# KiCad board Panel3-copy.kicad_pcb (continued)
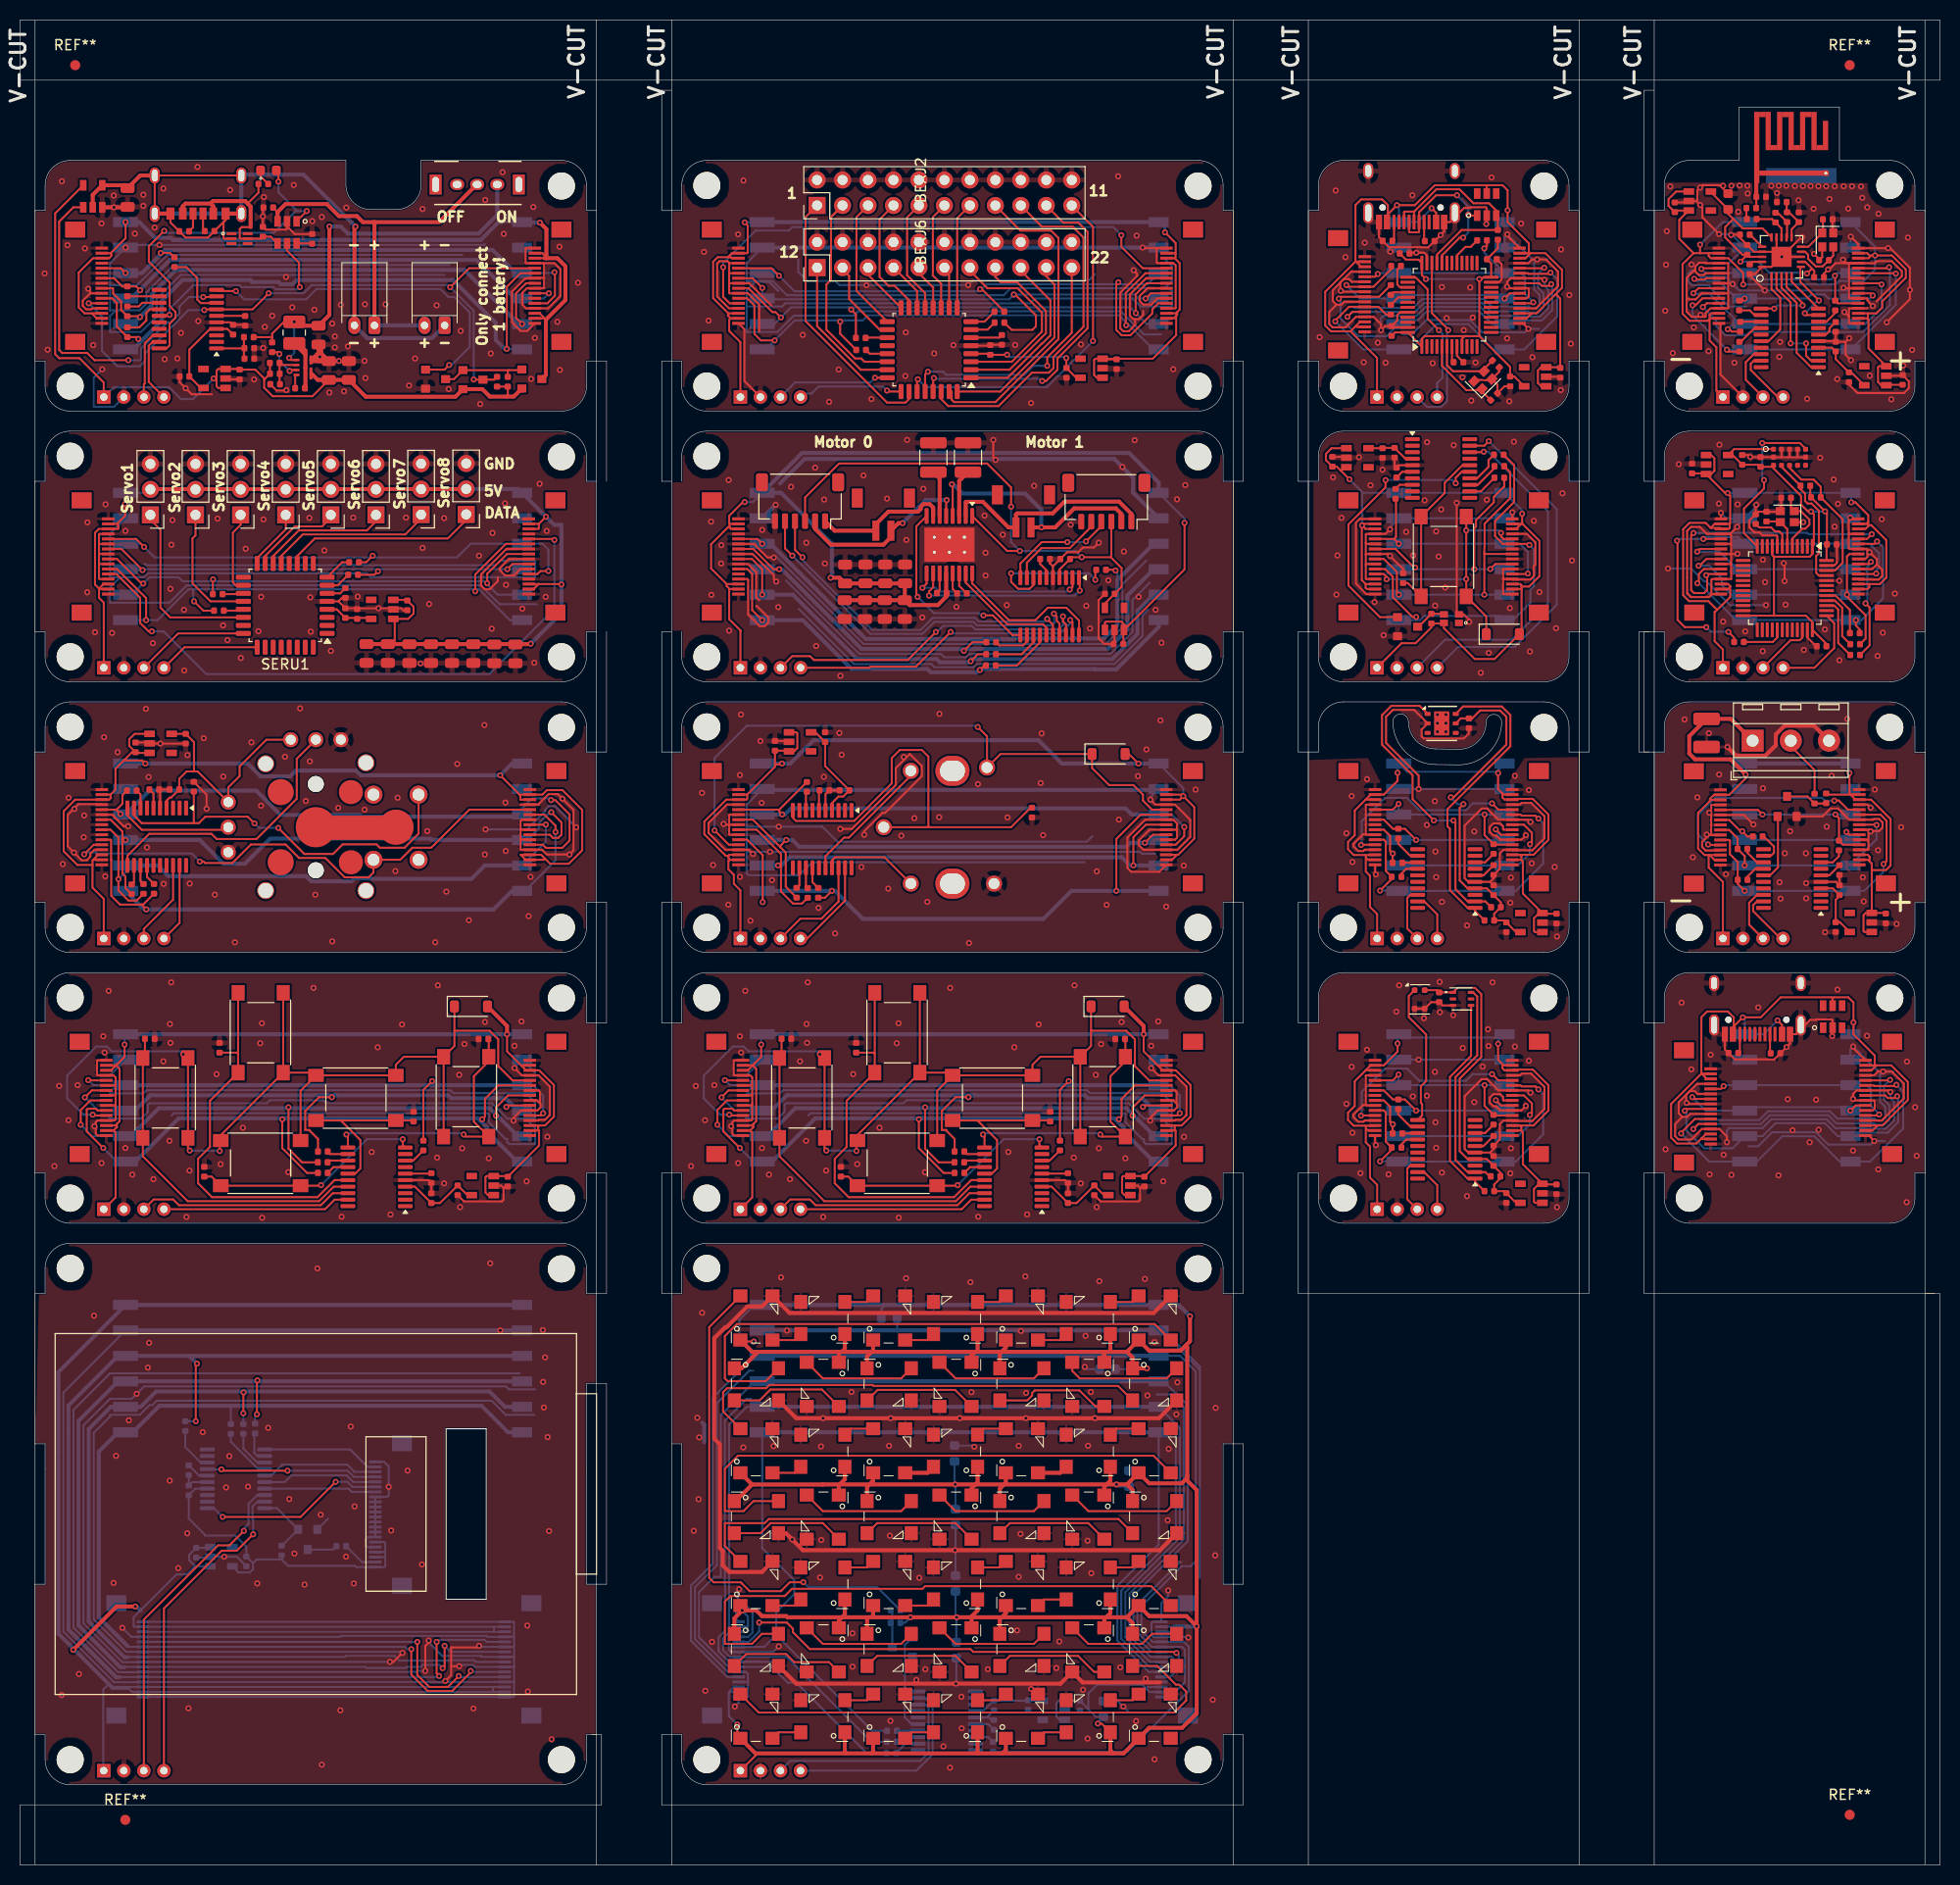
[diagram p0: board, top side]
## Routing (per net, layer and track width the routed paths; a pad name or vN(x,y) marks a point on that pad's centre or on a via; arc(x,y) is an arc through that point) (continued)
BEX_P6: length 3.9
  Top w0.2: 92.2,159 92.67,158.53 BEXU1.10
BEX_P7: length 19.1
  Top w0.2: BEXU1.3 98.92,149.93 101.92,152.93 101.92,154.82 99.5,157.25 96.49,157.25 94.74,159
BEX_P8: length 18.3
  Top w0.2: BEXU1.2 98.69,149.12 102.33,152.76 102.33,154.99 99.47,157.85 97.83,157.85 97.28,158.4 97.28,159
BEX_P9: length 17.3
  Top w0.2: BEXU1.1 98.5,148.32 101.92,151.75 101.97,151.75 102.78,152.56 102.78,156.04 99.82,159
BEX_P10: length 18.9
  Top w0.2: BEXU1.32 97.78,146.95 103.17,152.35 103.17,157.62 102.36,158.44 102.36,159
BEX_P11: length 26.6
  Top w0.2: 79.5,165.5 78.35,164.35 78.35,153.97 86.47,145.85 88.32,145.85 88.67,146.2 BEXU1.26
BEX_P12: length 22.1
  Top w0.2: BEXJ2.3 80.89,164.36 80.89,158.1 80.89,158.09 80.42,157.62 80.42,153.12 83.3,150.25 83.9,150.25 84.22,149.93 BEXU1.22 ; 82.04,165.5 80.89,164.35
BEX_P13: length 13.3
  Top w0.2: 84.58,165.5 83.43,164.35 83.43,157 BEXU1.17
BEX_P14: length 12.3
  Top w0.2: 87.12,165.5 85.73,164.12 85.73,158.39 86.62,157.5 87.22,157.5 88.67,156.05 BEXU1.15
BEX_P15: length 11.4
  Top w0.2: 89.66,165.5 88.47,164.31 88.47,158.56 90.28,156.76 90.28,155.3
BEX_P16: length 11
  Top w0.2: 92.2,165.5 91.05,164.35 91.05,158.53 91.06,158.53 91.05,158.52 91.88,157.7 BEXU1.11
BEX_P17: length 10.7
  Top w0.2: BEXU1.9 93.47,164.24 94.74,165.5
BEX_P18: length 32.1
  Top w0.2: 97.28,165.5 99.78,163 102.84,163 103.58,162.27 103.58,152.18 97.29,145.9 93.17,145.9 92.92,146.15 92.92,146.95 BEXU1.31
BEX_P19: length 35.6
  Top w0.2: 99.82,165.5 101.92,163.4 104.98,163.4 106.08,162.31 106.08,153.41 103.08,150.41 103.08,149.29 102.62,148.83 100.93,148.83 97.6,145.5 92.58,145.5 91.88,146.2 BEXU1.30
BEX_P20: length 34.5
  Top w0.2: v1(91.15,148.3) 91.08,148.22 BEXU1.29 ; 102.36,165.5 104.06,163.8 105.55,163.8 106.47,162.88 106.47,153.25 103.48,150.25 103.48,149.13 102.35,148 v1(101.95,148)
  Bottom w0.2: v1(101.95,148) 101.72,148.22 91.22,148.22 v1(91.15,148.3)
BEX_P21: length 25.4
  Top w0.2: 104.91,159.31 104.91,152.81 102.46,150.36 v1(102.46,149.52) ; v1(90.55,148.93) 90.28,148.65 90.28,146.95 90.37,147.05
  Bottom w0.2: v1(90.55,148.93) 92.08,148.93 92.38,148.62 100.17,148.62 101.07,149.52 v1(102.46,149.52)
BEX_P22: length 35.3
  Top w0.2: v1(89.55,148.18) 89.47,148.1 BEXU1.27 ; 104.9,165.5 107.03,163.38 v1(107.03,152)
  Bottom w0.2: v1(89.55,148.18) 90.33,147.4 102.42,147.4 v1(107.03,152)
BEX_PS: length 60.8
  Top w0.2: v1(75.7,158.5) 74.95,159.25 BEXJ5.5 ; v1(95.74,157.15) 95.94,157.15 BEXR8.2 ; BEXJ7.5 113.54,155.75 112.94,155.15 112.94,154.75 110.75,152.56 109.87,152.56 109.34,153.1 109.34,157.64 v1(109.55,157.85)
  Bottom w0.2: 109.85,157.65 96.4,157.65 95.9,157.15 v1(95.74,157.15) 95.54,156.95 77.25,156.95 v1(75.7,158.5) 75.43,158.77 BEXJ1.3 ; 109.85,157.65 112.45,157.65 BEXJ3.4 ; 109.85,157.65 109.75,157.65 v1(109.55,157.85)
BEX_SCLK: length 54
  Top w0.2: BEXJ5.7 73.08,158.25 v1(74.04,157.29) ; BEXR5.2 98.9,153.1 100.98,153.1 101.33,153.45 101.33,154.55 99.25,156.62 v1(99.12,156.62) ; BEXJ7.7 112.8,156.75 v1(112.28,156.23)
  Bottom w0.2: BEXJ3.3 v1(112.28,156.23) 111.55,156.23 111.16,156.62 v1(99.12,156.62) ; 99.1,156.43 99.12,156.45 v1(99.12,156.62) ; v1(74.04,157.29) 74.04,156.24 BEXJ1.4 74.11,156.15 98.65,156.15 v1(99.12,156.62)
BEX_SWDCLK: length 10.7
  Top w0.2: BEXU1.25 86.58,146.95 v1(86.47,147.05)
  Bottom w0.2: BEXJ4.4 78.2,146.75 78.95,146.75 79.65,147.45 86.08,147.45 v1(86.47,147.05)
BEX_SWDIO: length 11.4
  Top w0.2: BEXU1.24 v1(85.28,148.32)
  Bottom w0.2: v1(85.28,148.32) 84.8,147.85 77.3,147.85 BEXJ4.3
BEX_VDD: length 12.6
  Top w0.2: BEXU1.4 96.67,150.72 BEXC4.1 98.44,150.62 v1(98.45,150.62) ; 104.38,149.3 105.34,148.32 BEXU2.5 ; 104.38,149.3 104.36,149.31 v1(104.36,150.29) ; 104.38,149.3 104.33,149.25
  Bottom w0.2: v1(98.45,150.62) 98.67,150.4 104.25,150.4 v1(104.36,150.29)
BLK_5V: length 92.8
  Top w0.2: BLKJ5.2 73.08,79.75 ; 73.08,79.75 73.22,79.89 ; 73.08,79.75 73.43,79.4 73.43,74.18 73.15,73.9 ; 115.17,73.33 115.17,73.66 115.27,73.75 ; 115.17,73.33 115.1,73.25 BLKJ3.2 ; 115.17,73.33 115.27,73.23 115.27,71.76 BLKC8.1 112.08,68.7 BLKU2.3 110.02,68.7 109.92,68.61 109.92,67.06 110.17,66.81 BLKU2.1 ; 73.22,79.89 73.92,80.59 v1(73.92,81.83) ; 73.22,79.89 72.58,79.25 BLKJ5.3 ; 115.27,73.75 115.86,73.75 116.75,74.64 116.75,77.79 115.29,79.25 BLKJ3.14 113.97,79.25 113.47,79.75 ; 115.27,73.75 BLKJ3.3 ; 73.15,73.9 73,73.75 BLKJ5.14 ; 73.15,73.9 73.15,73.63 73.17,73.6 72.83,73.25 ; BLKJ5.15 72.83,73.25 ; 72.83,73.25 73.03,73.05 73.03,66.58 BLKJ4.1 ; v1(112.08,82.85) 112.08,81.14 113.47,79.75 ; 113.47,79.75 BLKJ3.15
  Top w0.4: v1(112.08,82.85) 112.08,83.67 BLKD2.2
  Bottom w0.2: BLKJ1.1 73.92,82.75 v1(73.92,81.83)
  Bottom w0.4: BLKJ2.6 v1(112.08,82.85) BLKJ1.1
BLK_GND: length 181.8
  Top w0.2: 115.36,75.94 115.05,76.25 BLKJ3.8 ; 115.36,75.94 115.43,75.87 115.43,75.58 115.1,75.25 BLKJ3.6 113.47,75.25 112.72,74.5 v1(112.72,74.23) ; 115.36,75.94 115.36,77.11 115.22,77.25 BLKJ3.10 ; 71.05,73.55 71.05,72.93 71.23,72.75 BLKJ5.16 ; 71.05,73.55 71.05,74.07 71.23,74.25 BLKJ5.13 72.93,74.25 73.03,74.35 73.03,75.85 ; 71.05,73.55 v1(70.92,73.67) ; BLKC8.2 111.89,67.67 111.72,67.51 ; 73.03,75.85 73.03,76.78 ; 73.03,75.85 72.93,75.75 BLKJ5.10 ; 73.03,76.78 73,76.75 BLKJ5.8 ; 73.03,76.78 73.03,77.75 ; BLKU2.2 111.48,67.75 111.72,67.51 ; 111.72,67.51 111.72,66.33 111.58,66.18 107.78,66.18 BLKC9.2 ; BLKJ3.4 115.2,74.25 115.27,74.32 115.87,74.32 116.35,74.8 116.35,77.62 115.22,78.75 BLKJ3.13 113.55,78.75 v1(112.83,79.47) ; 73.03,77.75 73.03,78.55 72.83,78.75 BLKJ5.4 71.23,78.75 71.18,78.8 71.18,80.2 71.23,80.25 BLKJ5.1 ; 73.03,77.75 BLKJ5.6 ; BLKC2.2 BLKC1.2 104.25,68.3 BLKU3.5
  Bottom w0.2: 113.15,76.97 114.88,76.97 ; 113.15,76.97 113.94,76.97 114.88,76.03 114.88,74.43 113.15,74.43 ; 113.15,76.97 106.72,76.97 106.42,77.27 76.12,77.27 75.8,76.95 72.5,76.95 72.47,76.97 ; 78.62,74.75 78.84,74.97 110.16,74.97 110.27,74.87 110.27,74.07 111.93,72.4 112.09,72.4 112.09,72.1 112.3,71.89 114.88,71.89 114.88,73.49 113.94,74.43 113.15,74.43 ; 113.15,74.43 112.11,74.43 110.58,75.97 94.03,75.97 93.72,76.27 88.42,76.27 88.12,75.97 76.41,75.97 76.26,75.82 76.26,75.11 75.58,74.43 72.47,74.43 72.38,74.53 ; v1(112.83,79.47) 112.83,79.56 BLKJ2.5 114.88,79.01 ; BLKJ1.2 72.47,78.76
  vias: v1(66.92,69.7) v1(67.4,77.7) v1(68.33,74.28) v1(69.25,77.78) v1(71.62,70) v1(71.8,82.65) v1(71.92,81.03) v1(72.34,87.18) v1(74,71.5) v1(74.7,68.85) v1(76.8,68.4) v1(77.8,80.15) v1(78.4,72.22) v1(78.45,83.88) v1(78.5,82) v1(78.58,88.03) v1(80.1,64.62) v1(80.4,69.25) v1(83.1,78.88) v1(83.5,69.9) v1(85.72,73.53) v1(87.45,81.95) v1(87.62,83.95) v1(87.65,64.55) v1(90.25,69.1) v1(92.78,87.47) v1(95.58,64.65) v1(98.58,71.1) v1(99.17,81.55) v1(100.45,64.88) v1(101.6,83.83) v1(105.1,70.55) v1(105.17,87.72) v1(105.8,67.97) v1(107.3,78.8) v1(107.39,65.61) v1(107.6,71.47) v1(107.83,81.88) v1(109.88,84.08) v1(110.25,70.47) v1(112.83,81.7) v1(113.53,84.12) v1(114.03,68.17) v1(116.1,72.62)
BLK_Interrupt5V: length 100.5
  Top w0.2: BLKSW6.2 101.78,80.61 100.98,79.81 BLKSW3.2 BLKSW3.2 ; BLKSW6.2 106.83,81.68 106.83,83.2 ; BLKSW6.2 BLKSW6.2 ; v1(83.42,71.2) 83.42,72.16 BLKSW4.2 83.52,72.79 BLKSW2.2 ; BLKSW3.2 91.48,77.21 BLKSW4.2 ; BLKSW3.2 92.75,79.02 BLKSW2.2 ; BLKJ5.12 70.83,74.75 v1(70.75,74.83) ; BLKSW2.2 BLKSW2.2 ; BLKJ3.12 112.62,78.25 111.2,79.67 111.2,82.34 110.34,83.2 106.83,83.2 ; v1(79.78,80.85) 80.14,80.48 BLKSW1.2 BLKSW1.2 80.25,71.42 v1(80.42,71.25) ; 106.83,83.2 BLKD2.1
  Bottom w0.2: v1(80.42,71.25) 83.38,71.25 v1(83.42,71.2) ; v1(79.78,80.85) 79.47,81.15 72.65,81.15 72.17,81.62 71.1,81.62 68.2,78.72 68.2,76.45 69.83,74.83 v1(70.75,74.83)
BLK_MISO: length 63.5
  Top w0.2: BLKJ5.9 70.51,76.25 69.55,75.29 v1(69.55,73.83) ; BLKR4.2 91.63,70.08 90.28,71.43 v1(90.28,75.57) ; BLKJ3.9 112.17,76.75 110.97,75.55 v1(110.97,74.72)
  Bottom w0.2: v1(69.55,73.83) 70.69,72.69 BLKJ1.5
  Bottom w0.4: BLKJ1.5 74.54,72.69 77.32,75.47 110.37,75.47 113.15,72.69 BLKJ2.2
BLK_MOSI: length 68.3
  Top w0.2: BLKR2.2 92.12,69.02 89.65,71.49 v1(89.65,74.37) ; v1(109.6,74.37) 109.88,74.65 109.88,76.4 111.22,77.75 BLKJ3.11 ; v1(71.8,71.5) 70.15,73.15 70.15,75.33 70.25,75.42 71.06,75.42 71.23,75.25 BLKJ5.11
  Bottom w0.2: v1(71.8,71.5) 73.15,70.15 BLKJ1.6 ; 90.12,74.47 90.03,74.57 89.72,74.57 89.65,74.5 v1(89.65,74.37) ; 109.36,74.26 109.47,74.37 v1(109.6,74.37)
  Bottom w0.4: BLKJ1.6 75,70.15 79.33,74.47 109.16,74.47 110.1,73.53 110.1,73.12 113.08,70.15 BLKJ2.1
BLK_Net-(U3-NRST): length 2.6
  Top w0.2: BLKC1.1 104.48,68.95 BLKU3.6
BLK_Net-(U3-PA1): length 2.2
  Top w0.2: BLKR1.1 102.71,70.25 BLKU3.8
BLK_Net-(U3-PA5): length 2.1
  Top w0.2: BLKU3.12 94.44,70.9 BLKR3.1
BLK_Net-(U3-PA6): length 2.1
  Top w0.2: BLKU3.13 94.35,70.25 BLKR4.1
BLK_Net-(U3-PA7): length 2.3
  Top w0.2: BLKR2.1 94.77,69.6 BLKU3.14
BLK_PS: length 57.7
  Top w0.2: BLKJ5.5 70.33,78.25 v1(70.3,78.28) ; v1(115.67,74.97) 115.45,74.75 BLKJ3.5 ; v1(104.6,78.17) 103.72,77.3 BLKR1.2
  Bottom w0.2: BLKJ1.3 70.81,77.77 v1(70.3,78.28) ; 104.65,77.77 104.6,77.82 v1(104.6,78.17) ; v1(115.67,74.97) 115.67,76.74 114.64,77.77 BLKJ2.4
  Bottom w0.4: BLKJ1.3 BLKJ2.4
BLK_SCLK: length 59.6
  Top w0.2: BLKJ3.7 112.15,75.75 v1(112,75.6) ; v1(69.97,76.56) 70.66,77.25 BLKJ5.7 ; BLKR3.2 93.22,72.41 92.38,73.25 92.38,73.3 91.94,73.3 91.94,75.2 93.31,76.57 v1(94.6,76.57)
  Bottom w0.2: BLKJ1.4 71.3,75.23 v1(69.97,76.56) ; 112.42,75.97 112.05,75.6 v1(112,75.6)
  Bottom w0.4: BLKJ2.3 113.17,75.23 111.93,76.47 106.52,76.47 106.22,76.77 95.17,76.77 ; 95.17,76.77 94.8,76.77 v1(94.6,76.57) ; 95.17,76.77 76.5,76.77 74.96,75.23 BLKJ1.4
BLK_SW1: length 38.8
  Top w0.2: BLKU3.16 94.87,68.3 93.17,66.6 82.64,66.6 81.25,67.99 81.25,70.42 82.44,71.61 82.44,76.22 BLKSW2.1 85.25,80.9 ; 85.25,80.9 85.14,81.02 BLKR5.2 ; 85.25,80.9 BLKSW2.1
BLK_SW2: length 34.7
  Top w0.2: BLKU3.17 94.78,67.65 93.33,66.2 80.22,66.2 75.75,70.67 BLKSW1.1 BLKSW1.1 75.75,80.6 75.95,80.81 BLKR6.2
BLK_SW3: length 26.7
  Top w0.2: v1(107.75,72.85) 107.95,72.64 BLKSW6.1 108.76,74.14 108.76,78.67 110.25,80.16 BLKSW6.1 110.25,82.33 BLKR7.2 ; BLKU3.11 96.2,72.7 v1(96.05,72.85)
  Bottom w0.2: v1(96.05,72.85) 96.17,72.97 107.62,72.97 v1(107.75,72.85)
BLK_SW4: length 17
  Top w0.2: 95.35,74.25 BLKSW3.1 ; 95.35,74.25 95.5,74.25 97.45,72.3 97.45,69.46 96.94,68.95 BLKU3.15 ; 95.35,74.25 BLKSW3.1 102.65,74.25 BLKR9.2
BLK_SW5: length 23
  Top w0.2: v1(93.52,67.8) 93.47,67.75 BLKSW4.1 BLKSW4.1 82.61,68.66 BLKR8.2 ; BLKU3.10 101.67,71.8 v1(101.67,72.38)
  Bottom w0.2: v1(93.52,67.8) 98.1,72.38 v1(101.67,72.38)
BLK_SWDCLK: length 18.7
  Top w0.2: BLKU3.19 94.88,66.35 93.92,65.4 BLKJ4.4
BLK_SWDIO: length 21.5
  Top w0.2: BLKU3.18 94.7,67 93.5,65.8 79.35,65.8 78.78,66.38 76.83,66.38 BLKJ4.3
BLK_VDD: length 8.4
  Top w0.2: BLKU2.5 108.12,66.81 BLKC9.1 105.39,66.02 BLKC2.1 102.89,67.65 BLKU3.4
BTS_5V: length 92.8
  Top w0.2: BTSJ4.1 9.53,66.58 9.53,73.05 9.32,73.25 ; 49.97,79.75 48.58,81.14 v1(48.58,82.85) ; 49.97,79.75 BTSJ3.15 ; 49.97,79.75 50.47,79.25 BTSJ3.14 51.79,79.25 53.25,77.79 53.25,74.64 52.36,73.75 51.77,73.75 ; 9.32,73.25 9.68,73.6 9.65,73.63 9.65,73.9 ; 9.32,73.25 BTSJ5.15 ; BTSU2.1 46.67,66.81 46.42,67.06 46.42,68.61 46.52,68.7 BTSU2.3 48.59,68.7 BTSC8.1 51.77,71.76 51.77,73.23 51.67,73.33 ; 9.71,79.89 10.43,80.59 v1(10.43,81.83) ; 9.71,79.89 9.08,79.25 BTSJ5.3 ; 9.71,79.89 9.58,79.75 ; 9.58,79.75 9.93,79.4 9.93,74.18 9.65,73.9 ; 9.58,79.75 BTSJ5.2 ; 51.67,73.33 51.6,73.25 BTSJ3.2 ; 51.67,73.33 51.67,73.66 51.77,73.75 ; 51.77,73.75 BTSJ3.3 ; 9.65,73.9 9.5,73.75 BTSJ5.14
  Top w0.4: BTSD2.2 48.58,83.67 v1(48.58,82.85)
  Bottom w0.2: v1(10.43,81.83) 10.43,82.75 BTSJ1.1
  Bottom w0.4: BTSJ1.1 v1(48.58,82.85) 50.08,82.85
BTS_GND: length 181.8
  Top w0.2: 51.86,75.94 51.86,77.11 51.72,77.25 BTSJ3.10 ; 51.86,75.94 51.93,75.87 51.93,75.58 51.6,75.25 BTSJ3.6 49.97,75.25 49.23,74.5 v1(49.23,74.23) ; 51.86,75.94 51.55,76.25 BTSJ3.8 ; 48.23,67.51 47.98,67.75 BTSU2.2 ; 48.23,67.51 48.23,66.33 48.08,66.18 44.27,66.18 BTSC9.2 ; 48.23,67.51 48.38,67.67 BTSC8.2 ; BTSJ5.10 9.43,75.75 9.53,75.85 ; 7.55,73.55 7.55,72.93 7.73,72.75 BTSJ5.16 ; 7.55,73.55 7.55,74.07 7.73,74.25 BTSJ5.13 9.43,74.25 9.53,74.35 9.53,75.85 ; 7.55,73.55 v1(7.42,73.67) ; 9.53,75.85 9.53,76.78 ; BTSJ3.4 51.7,74.25 51.77,74.32 52.37,74.32 52.85,74.8 52.85,77.62 51.72,78.75 BTSJ3.13 50.05,78.75 v1(49.33,79.47) ; 9.53,76.78 9.5,76.75 BTSJ5.8 ; 9.53,76.78 9.53,77.75 ; BTSC2.2 BTSC1.2 40.75,68.3 BTSU3.5 ; BTSJ5.6 9.53,77.75 ; 9.53,77.75 9.53,78.55 9.32,78.75 BTSJ5.4 7.73,78.75 7.68,78.8 7.68,80.2 7.73,80.25 8.61,80.25
  Bottom w0.2: 49.65,74.43 50.44,74.43 51.38,73.49 51.38,71.89 48.8,71.89 48.59,72.1 48.59,72.4 48.43,72.4 46.77,74.07 46.77,74.87 46.66,74.97 15.35,74.97 15.12,74.75 ; 49.65,74.43 51.38,74.43 51.38,76.03 50.44,76.97 49.65,76.97 ; 49.65,74.43 48.62,74.43 47.08,75.97 30.52,75.97 30.23,76.27 24.93,76.27 24.62,75.97 12.91,75.97 12.76,75.82 12.76,75.11 12.07,74.43 8.97,74.43 8.88,74.53 ; 51.38,79.01 50.08,80.31 49.33,79.56 v1(49.33,79.47) ; 49.65,76.97 51.38,76.97 ; 49.65,76.97 43.23,76.97 42.92,77.27 12.62,77.27 12.3,76.95 9,76.95 8.97,76.97 ; BTSJ1.2 8.97,78.76
  vias: v1(3.42,69.7) v1(3.9,77.7) v1(4.83,74.28) v1(5.75,77.78) v1(8.12,70) v1(8.3,82.65) v1(8.43,81.03) v1(8.84,87.18) v1(10.5,71.5) v1(11.2,68.85) v1(13.3,68.4) v1(14.3,80.15) v1(14.95,83.88) v1(14.9,72.22) v1(15,82) v1(15.07,88.03) v1(16.6,64.62) v1(16.9,69.25) v1(19.6,78.88) v1(20,69.9) v1(22.23,73.53) v1(23.95,81.95) v1(24.12,83.95) v1(24.15,64.55) v1(26.75,69.1) v1(29.27,87.47) v1(32.08,64.65) v1(35.08,71.1) v1(35.67,81.55) v1(36.95,64.88) v1(38.1,83.83) v1(41.6,70.55) v1(41.67,87.72) v1(42.3,67.97) v1(43.8,78.8) v1(43.89,65.61) v1(44.1,71.47) v1(44.33,81.88) v1(46.38,84.08) v1(46.75,70.47) v1(49.33,81.7) v1(50.02,84.12) v1(50.52,68.17) v1(52.6,72.62)
BTS_Interrupt5V: length 100.5
  Top w0.2: v1(19.93,71.2) 19.93,72.16 BTSSW4.2 20.02,72.79 BTSSW2.2 ; 43.33,83.2 46.84,83.2 47.7,82.34 47.7,79.67 49.12,78.25 BTSJ3.12 ; 43.33,83.2 43.33,81.68 BTSSW6.2 ; 43.33,83.2 BTSD2.1 ; BTSSW2.2 BTSSW2.2 ; BTSSW2.2 29.25,79.02 BTSSW3.2 ; BTSSW4.2 27.98,77.21 BTSSW3.2 ; BTSSW6.2 38.28,80.61 37.48,79.81 BTSSW3.2 BTSSW3.2 ; BTSSW6.2 BTSSW6.2 ; v1(16.93,71.25) 16.75,71.42 BTSSW1.2 BTSSW1.2 16.64,80.48 v1(16.27,80.85) ; BTSJ5.12 7.33,74.75 v1(7.25,74.83)
  Bottom w0.2: v1(19.93,71.2) 19.88,71.25 v1(16.93,71.25) ; v1(16.27,80.85) 15.97,81.15 9.15,81.15 8.67,81.62 7.6,81.62 4.7,78.72 4.7,76.45 6.33,74.83 v1(7.25,74.83)
BTS_MISO: length 63.5
  Top w0.2: v1(47.47,74.72) 47.47,75.55 48.67,76.75 BTSJ3.9 ; 29.7,70.08 28.13,70.08 26.77,71.43 v1(26.77,75.57) ; BTSJ5.9 7.01,76.25 6.05,75.29 v1(6.05,73.83)
  Bottom w0.2: BTSJ1.5 7.18,72.69 v1(6.05,73.83)
  Bottom w0.4: BTSJ1.5 11.04,72.69 13.82,75.47 46.87,75.47 49.65,72.69 50.08,72.69
BTS_MOSI: length 68.3
  Top w0.2: v1(8.3,71.5) 6.65,73.15 6.65,75.33 6.75,75.42 7.55,75.42 7.73,75.25 BTSJ5.11 ; v1(46.1,74.37) 46.38,74.65 46.38,76.4 47.73,77.75 BTSJ3.11 ; BTSR2.2 28.62,69.02 26.15,71.49 v1(26.15,74.37)
  Bottom w0.2: 45.86,74.26 45.97,74.37 v1(46.1,74.37) ; v1(26.15,74.37) 26.15,74.5 26.22,74.57 26.52,74.57 26.62,74.47 ; BTSJ1.6 9.65,70.15 v1(8.3,71.5)
  Bottom w0.4: BTSJ1.6 11.51,70.15 15.82,74.47 45.66,74.47 46.6,73.53 46.6,73.12 49.58,70.15 50.08,70.15
BTS_Net-(U3-NRST): length 2.6
  Top w0.2: BTSC1.1 40.98,68.95 BTSU3.6
BTS_Net-(U3-PA1): length 2.2
  Top w0.2: BTSU3.8 39.21,70.25 BTSR1.1
BTS_Net-(U3-PA5): length 2.1
  Top w0.2: BTSU3.12 30.93,70.9 BTSR3.1
BTS_Net-(U3-PA6): length 2.1
  Top w0.2: BTSR4.1 30.85,70.25 BTSU3.13
BTS_Net-(U3-PA7): length 2.3
  Top w0.2: BTSR2.1 31.27,69.6 BTSU3.14
BTS_PS: length 57.7
  Top w0.2: BTSR1.2 40.23,77.3 v1(41.1,78.17) ; BTSJ3.5 51.95,74.75 v1(52.17,74.97) ; BTSJ5.5 6.83,78.25 v1(6.8,78.28)
  Bottom w0.2: v1(6.8,78.28) 7.3,77.77 BTSJ1.3 ; v1(41.1,78.17) 41.1,77.82 41.15,77.77 ; v1(52.17,74.97) 52.17,76.74 51.14,77.77 50.08,77.77
  Bottom w0.4: BTSJ1.3 50.08,77.77
BTS_SCLK: length 59.6
  Top w0.2: BTSJ5.7 7.16,77.25 v1(6.47,76.56) ; v1(48.5,75.6) 48.65,75.75 BTSJ3.7 ; v1(31.1,76.57) 29.82,76.57 28.45,75.2 28.45,73.3 28.88,73.3 28.88,73.25 29.71,72.41 BTSR3.2
  Bottom w0.2: v1(6.47,76.56) 7.79,75.23 BTSJ1.4 ; 48.92,75.97 48.55,75.6 v1(48.5,75.6)
  Bottom w0.4: 31.68,76.77 13,76.77 11.46,75.23 BTSJ1.4 ; 31.68,76.77 31.3,76.77 v1(31.1,76.57) ; 31.68,76.77 42.72,76.77 43.02,76.47 48.43,76.47 49.67,75.23 50.08,75.23
BTS_SW1: length 38.8
  Top w0.2: BTSU3.16 31.37,68.3 29.67,66.6 19.14,66.6 17.76,67.99 17.76,70.42 18.95,71.61 18.95,76.22 BTSSW2.1 21.75,80.9 ; 21.75,80.9 21.64,81.02 BTSR5.2 ; 21.75,80.9 BTSSW2.1
BTS_SW2: length 34.7
  Top w0.2: BTSR6.2 12.46,80.81 12.25,80.6 BTSSW1.1 BTSSW1.1 12.25,70.67 16.73,66.2 29.83,66.2 31.28,67.65 BTSU3.17
BTS_SW3: length 26.7
  Top w0.2: v1(44.25,72.85) 44.45,72.64 BTSSW6.1 45.26,74.14 45.26,78.67 46.75,80.16 BTSSW6.1 46.75,82.33 BTSR7.2 ; BTSU3.11 32.7,72.7 v1(32.55,72.85)
  Bottom w0.2: v1(44.25,72.85) 44.12,72.97 32.67,72.97 v1(32.55,72.85)
BTS_SW4: length 17
  Top w0.2: 31.85,74.25 BTSSW3.1 ; 31.85,74.25 32,74.25 33.95,72.3 33.95,69.46 33.44,68.95 BTSU3.15 ; 31.85,74.25 BTSSW3.1 39.15,74.25 BTSR9.2
BTS_SW5: length 23
  Top w0.2: v1(38.17,72.38) 38.17,71.8 BTSU3.10 ; BTSR8.2 19.11,68.66 BTSSW4.1 BTSSW4.1 29.97,67.75 v1(30.02,67.8)
  Bottom w0.2: v1(38.17,72.38) 34.6,72.38 v1(30.02,67.8)
BTS_SWDCLK: length 18.7
  Top w0.2: BTSU3.19 31.38,66.35 30.43,65.4 BTSJ4.4
BTS_SWDIO: length 21.5
  Top w0.2: BTSJ4.3 13.32,66.38 15.28,66.38 15.85,65.8 30,65.8 31.2,67 BTSU3.18
BTS_VDD: length 8.4
  Top w0.2: BTSU3.4 39.39,67.65 BTSC2.1 41.89,66.02 BTSC9.1 44.62,66.81 BTSU2.5
BUT_5V: length 77.7
  Top w0.2: BUTJ4.1 137.8,121.85 139.2,121.85 140.78,123.42 BUTR6.1 141.97,123.81 BUTD2.2 142.03,123.35 145.1,120.28 147.07,120.28 BUTD3.2 149.77,122.97 149.77,127.2 ; v1(133.85,133.6) 133.83,133.58 133.83,128.13 134.21,127.75 ; v1(133.85,133.6) 134.2,133.25 BUTJ1.3 ; v1(133.85,133.6) 134,133.75 BUTJ1.2 ; v1(149.82,134.75) 149.82,133.85 149.72,133.75 ; BUTJ3.3 149.65,127.75 149.75,127.65 149.75,127.5 ; v1(132.6,138.2) 131.75,139.05 ; 131.75,139.05 132.1,139.4 BUTU2.3 ; 131.75,139.05 131.34,139.47 BUTC8.1 130.25,140.12 130.25,140.74 130.81,141.3 BUTU2.1 ; BUTJ3.14 149.22,133.25 149.72,133.75 ; 149.72,133.75 149.86,133.75 151.55,132.06 151.55,128.54 150.51,127.5 149.75,127.5 ; 149.72,133.75 BUTJ3.15 ; 149.77,127.2 149.77,127.48 149.75,127.5 ; 149.77,127.2 149.72,127.25 BUTJ3.2 ; BUTJ1.14 134.21,127.75 ; 134.21,127.75 134.21,127.39 134.35,127.25 BUTJ1.15
  Bottom w0.2: v1(133.85,133.6) 133.85,136.75 133.95,136.85 ; BUTJ2.1 BUTJ5.6 149.82,135.1 v1(149.82,134.75) ; BUTJ2.1 137.1,136.85 ; BUTJ2.1 133.95,136.85 ; 133.95,136.85 v1(132.6,138.2)
BUT_GND: length 69.6
  Top w0.2: BUTJ3.13 150.3,132.75 151.15,131.9 151.15,129.7 151,129.55 151,128.55 150.65,128.2 148.9,128.2 BUTJ3.4 148.02,128.25 147.92,128.35 ; 134.23,131.85 134.23,132.7 134.28,132.75 BUTJ1.4 136.2,132.75 v1(136.65,133.2) ; 134.23,131.85 134.23,130.7 ; 134.23,131.85 134.33,131.75 BUTJ1.6 ; v1(148.85,134.9) 148.84,134.9 BUTJ3.16 ; BUTU2.2 132.22,140.44 BUTC8.2 ; BUTJ1.16 134.28,126.75 133.25,127.78 133.25,133.88 133.62,134.25 BUTJ1.1 ; BUTU3.5 137.54,139.6 BUTC1.2 137.1,139.56 137.1,140.37 ; BUTJ1.13 134.28,128.25 134.23,128.3 134.23,129.7 ; BUTJ3.6 147.97,129.25 147.92,129.2 147.92,128.35 ; BUTJ1.10 134.28,129.75 134.23,129.7 ; 144.55,124.19 v1(144.55,123.97) 144.55,124.17 144,124.72 BUTD2.3 143.3,124.95 v1(143.3,135.85) ; 134.23,129.7 134.23,130.7 ; 134.23,130.7 134.28,130.75 BUTJ1.8 136.45,130.75 v1(136.65,130.55) 137.95,129.25 BUTR5.1 ; 147.92,128.35 147.92,126.8 147.97,126.75 BUTJ3.1
  Bottom w0.2: v1(136.65,133.2) 136.65,133.44 BUTJ2.2 BUTJ5.5 148.67,134.9 v1(148.85,134.9)
  vias: v1(130.97,138.39) v1(131.3,126.7) v1(131.4,130.6) v1(131.8,134.35) v1(133.55,140.4) v1(134.7,137.6) v1(135.1,125.95) v1(135.9,139.15) v1(136,122.65) v1(138.25,132.95) v1(138.95,130.6) v1(140.1,136.1) v1(140.35,141.9) v1(141.15,125.6) v1(141.25,133) v1(141.5,130.5) v1(141.75,135.2) v1(142.15,127.4) v1(143,141.6) v1(145.7,118.9) v1(146.3,136.15) v1(146.5,120.88) v1(148.6,125.35) v1(149,141.95) v1(150.6,121.03) v1(151,134.05) v1(151.55,126.95) v1(153.2,123.35) v1(153.85,136.8) v1(154.8,130.1)
BUT_Interrupt5V: length 27.2
  Top w0.2: BUTD3.1 146.25,124.52 BUTSW2.2 v1(144.25,128.25) v1(144.25,133.1) BUTSW2.2 ; BUTJ1.12 136.03,128.75 136.3,128.48 v1(136.3,128.23) ; BUTJ3.12 147.97,132.25 147.72,132.5 v1(147.72,132.85)
  Bottom w0.2: v1(144.25,133.1) 147.47,133.1 v1(147.72,132.85) ; v1(136.3,128.23) 144.23,128.23 v1(144.25,128.25)
BUT_LED_DATA: length 27.6
  Top w0.2: v1(143.2,137.8) 143.2,138.35 143.8,138.95 BUTU3.15 ; BUTQ1.1 135.65,124.45 132.5,127.6 132.5,133.7 136.2,137.4 v1(136.2,138.12)
  Bottom w0.2: v1(143.2,137.8) 142.88,138.12 v1(136.2,138.12)
BUT_MISO: length 32.1
  Top w0.2: v1(137.53,126.69) 137.33,126.88 137.33,128.95 136.03,130.25 BUTJ1.9 ; BUTR4.2 148.63,138.91 148.63,136.32 146.08,133.77 146.08,131.38 ; BUTJ3.9 146.1,130.75 146.05,130.8 ; 146.05,131.35 146.05,130.8 ; 146.05,130.8 v1(146.05,126.69)
  Bottom w0.2: 137.93,126.69 v1(146.05,126.69) BUTJ5.2
BUT_MOSI: length 41
  Top w0.2: BUTR2.2 149.03,139.6 149.03,135.93 147.12,134.02 147.12,132.53 147.9,131.75 BUTJ3.11 150.45,131.75 v1(150.55,131.65) ; v1(139.26,124.47) 138.9,124.47 136.93,126.44 136.93,128.47 136.15,129.25 BUTJ1.11
  Bottom w0.2: v1(150.55,131.65) 151,131.2 151,127.55 150.65,127.2 150.65,125.9 148.9,124.15 BUTJ5.1 147.65,124.58 140.07,124.58 139.65,124.15 139.2,124.15 ; 139.2,124.15 139.26,124.21 v1(139.26,124.47) ; 139.2,124.15 BUTJ2.6
BUT_Net-(D2-DIN): length 3.2
  Top w0.2: BUTD2.4 141.97,124.78 BUTR6.2 139.49,123.5 BUTQ1.3
BUT_Net-(U3-NRST): length 1.8
  Top w0.2: BUTC1.1 137.87,138.95 BUTU3.6
BUT_Net-(U3-PA1): length 1.8
  Top w0.2: BUTR1.1 137.62,137.65 BUTU3.8
BUT_Net-(U3-PA5): length 3
  Top w0.2: BUTR3.1 145.72,137 BUTU3.12
BUT_Net-(U3-PA6): length 3.3
  Top w0.2: BUTR4.1 147.06,139.31 145.41,137.65 BUTU3.13
BUT_Net-(U3-PA7): length 3.8
  Top w0.2: BUTU3.14 145.34,138.3 146.47,139.43 146.47,140.1 BUTR2.1
BUT_PS: length 23.6
  Top w0.2: 137.04,132.25 v1(137.53,131.77) ; 137.04,132.25 BUTJ1.5 ; 137.04,132.25 137.25,132.45 137.25,136.22 BUTR1.2 ; v1(150.4,128.8) 150.35,128.75 BUTJ3.5
  Bottom w0.2: v1(150.4,128.8) 150.4,130.95 149.58,131.77 BUTJ5.4 v1(137.53,131.77)
BUT_SCLK: length 28.1
  Top w0.2: BUTJ3.7 147.15,129.75 v1(146.65,129.25) ; BUTJ1.7 137.2,131.25 139.05,129.4 v1(139.15,129.4) ; v1(145.05,129.23) 145.05,133.31 145.22,133.48 145.22,134.12 147,135.9 147,136.45 148,137.45 148.03,137.45 BUTR3.2
  Bottom w0.2: BUTJ2.4 146.63,129.23 v1(146.65,129.25) 148.06,129.25 BUTJ5.3
BUT_SW1: length 17.9
  Top w0.2: BUTU3.16 143.86,139.6 142.1,137.84 142.1,136.83 BUTSW2.1 BUTSW2.1 138.42,127.85 BUTR5.2
BUT_SWDCLK: length 35.7
  Top w0.2: v1(146.5,142) 146.05,141.55 BUTU3.19
  Bottom w0.2: v1(146.5,142) 153.27,135.23 153.27,125.67 149.07,121.47 143.43,121.47 BUTJ4.4
BUT_SWDIO: length 35.2
  Top w0.2: v1(146,140.95) 145.95,140.9 BUTU3.18
  Bottom w0.2: BUTJ4.3 142.15,122.2 148.8,122.2 152.4,125.8 152.4,135 146.45,140.95 v1(146,140.95)
BUT_VDD: length 4.8
  Top w0.2: BUTU2.5 BUTC9.1 135.94,141.34 BUTC2.1 138.19,140.25 BUTU3.4
DIA_5V: length 93.4
  Top w0.2: DIAJ1.2 72.53,106.75 ; 72.53,106.75 75.3,109.52 75.3,109.78 ; 72.53,106.75 72.53,106.33 72.45,106.25 DIAJ1.3 70.44,106.25 68.25,104.06 68.25,102.79 70.39,100.65 70.65,100.65 ; 75.3,109.78 DIAC8.1 76.64,111.13 DIAU2.3 77.2,111.06 77.53,111.39 77.53,112.87 77.43,112.97 DIAU2.1 ; 75.3,109.78 75.92,109.78 v1(76,109.85) ; v1(116.03,106.6) 115.67,106.25 DIAJ2.14 ; v1(116.03,106.6) 115.88,106.75 DIAJ2.15 ; v1(116.03,106.6) 117.12,105.5 117.12,102.36 115.52,100.75 115.4,100.75 ; 115.4,100.75 114.9,100.25 DIAJ2.2 ; 115.4,100.75 DIAJ2.3 ; DIAJ1.14 70.75,100.75 70.65,100.65 ; 70.65,100.65 70.65,100.47 70.7,100.42 70.7,100.17 ; v1(111.55,109.85) 110.6,110.8 110.22,110.8 ; DIAJ4.1 71.85,97.2 71.2,97.85 71.2,98.75 70.65,99.3 70.65,100.12 70.7,100.17 ; 70.7,100.17 70.78,100.25 DIAJ1.15
  Bottom w0.2: DIAJ5.6 116.03,107.4 v1(116.03,106.6)
  Bottom w0.4: DIAJ5.6 v1(111.55,109.85) 103.91,109.85 101.59,112.17 79.15,112.17 76.83,109.85 v1(76,109.85) DIAJ3.1
DIA_ENC_A: length 9.8
  Top w0.2: DIASW7.A 86.22,100.5 81.3,100.5 80.99,100.19 DIAU3.17
DIA_ENC_B: length 13.5
  Top w0.2: DIAU3.16 80.34,100.61 82.19,102.46 82.67,102.46 88.85,108.64 DIASW7.B
DIA_GND: length 235.6
  Top w0.2: DIAJ2.6 115.2,102.25 115.4,102.45 115.4,103.33 ; 115.4,103.33 115.33,103.25 DIAJ2.8 112.65,103.25 111.6,102.2 111.6,101.7 112.05,101.25 DIAJ2.4 115.45,101.25 116.72,102.53 116.72,104.22 115.2,105.75 DIAJ2.13 113.25,105.75 v1(112.75,106.25) ; 115.4,103.33 115.4,103.88 115.03,104.25 DIAJ2.10 112.23,104.25 110.45,102.47 110.45,99.44 110.84,99.05 113.62,99.05 DIAJ2.1 ; DIAJ1.8 70.25,103.75 v1(70.17,103.83) ; DIAJ1.4 70.5,105.75 68.67,103.92 68.67,102.93 70.35,101.25 DIAJ1.13 72.68,101.25 v1(73.1,100.83) ; DIAC2.2 DIAC1.2 80.34,106.8 DIAU3.5 ; DIAU2.2 76.61,112.1 DIAC8.2 ; DIAJ1.10 70.78,102.75 70.73,102.8 70.73,104.7 70.78,104.75 DIAJ1.6 ; v1(84.2,102.75) 84.2,103.11 86.02,104.93 86.28,104.93 89.95,108.6 89.95,109.6 88.75,110.8 87.35,109.4 87.35,107.71 82.97,103.33 v1(81.83,103.33)